# KiCad board karabas-pro-revF.kicad_pcb (continued)
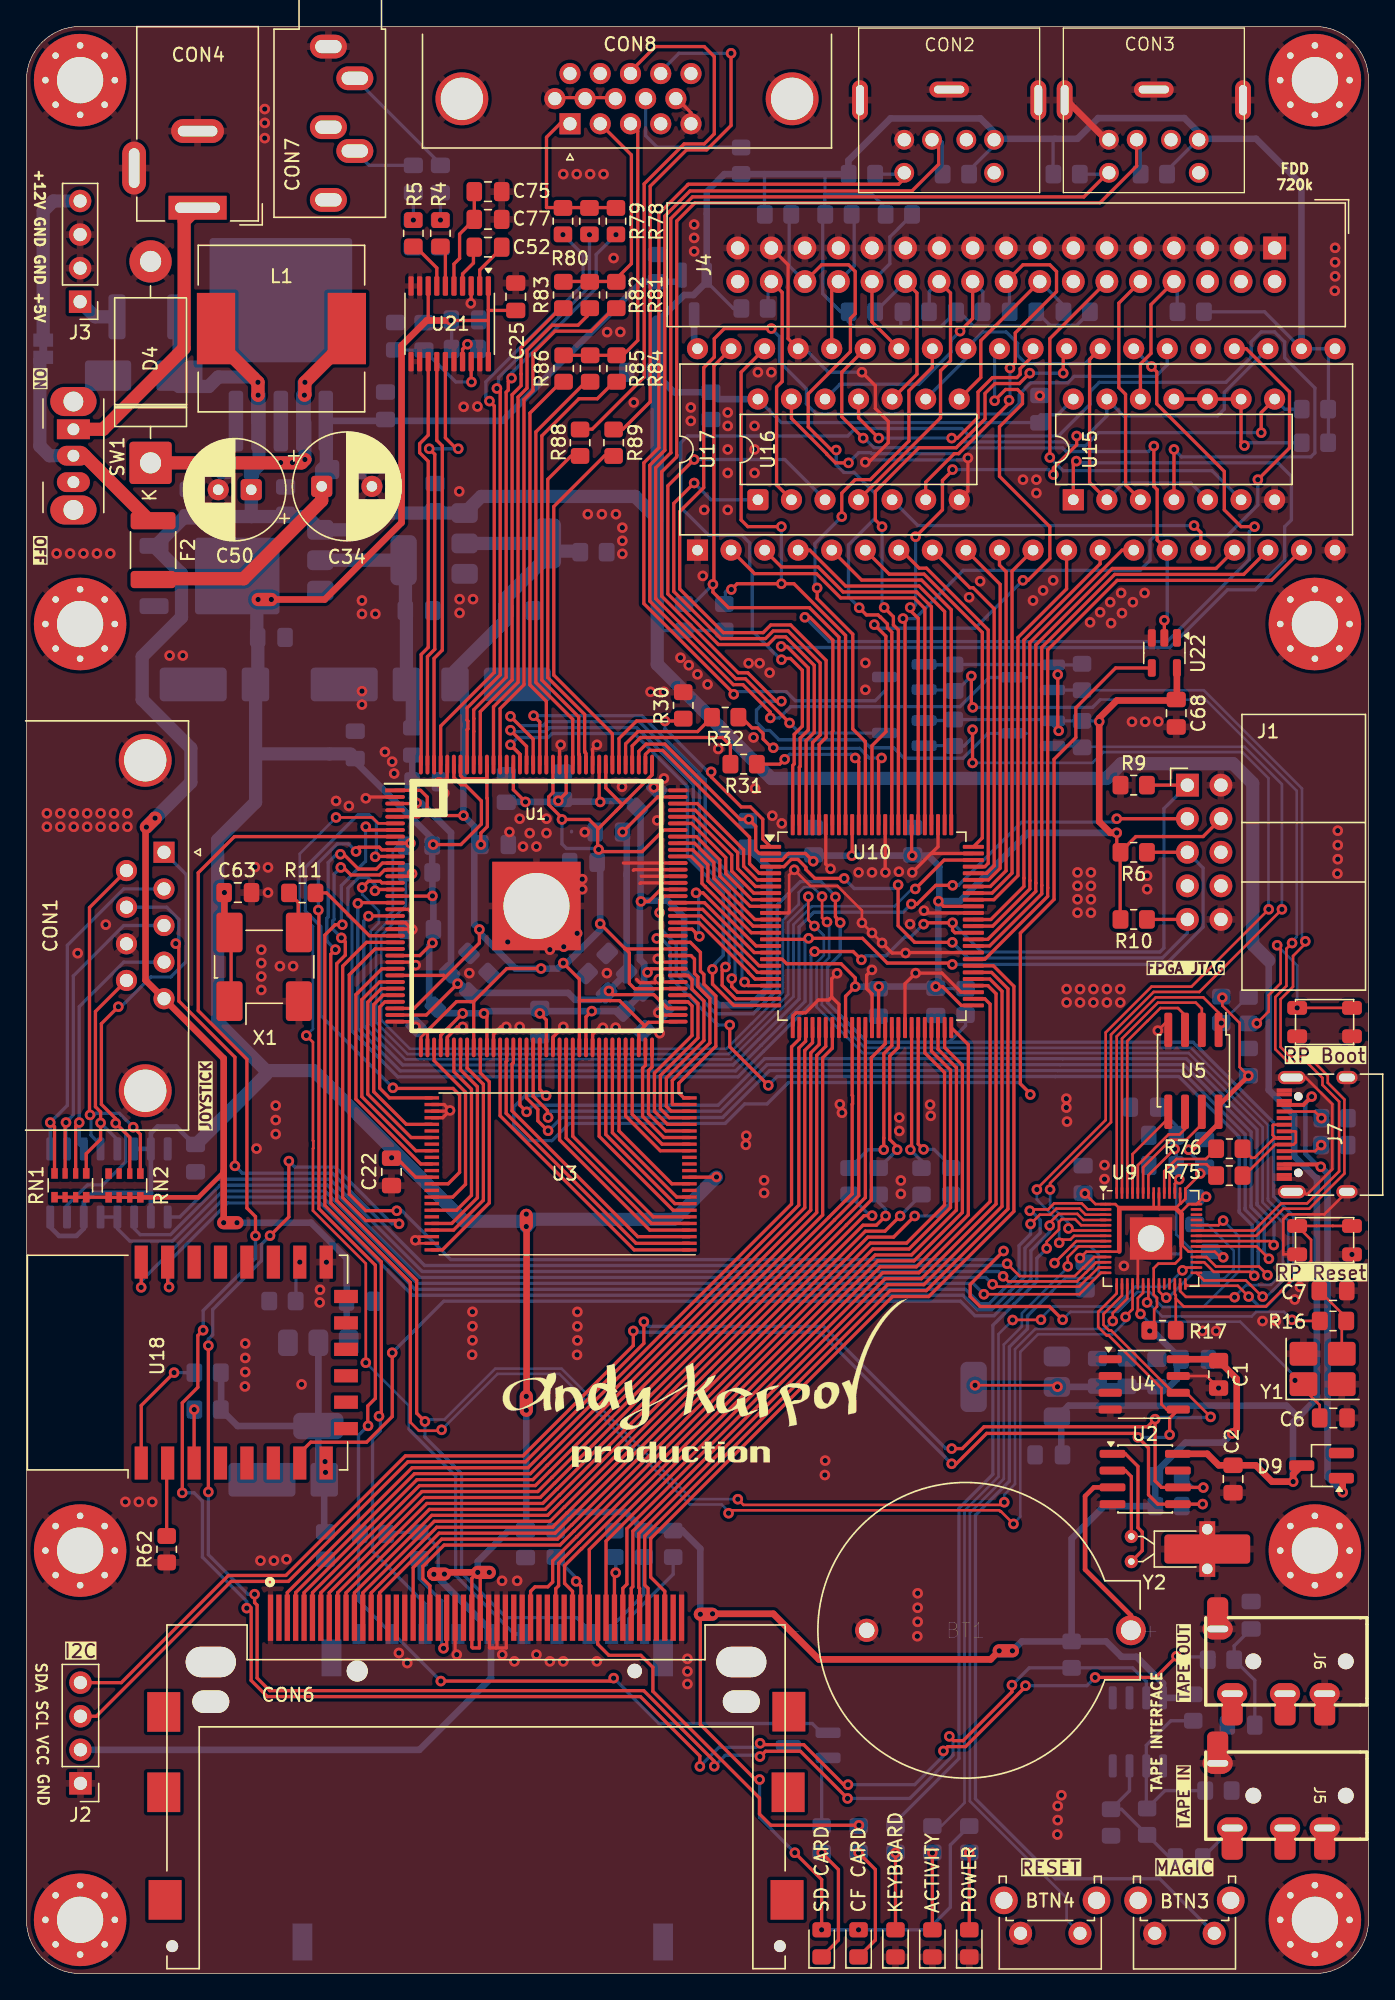
[diagram p0: board, top side]
## Routing (per net, layer and track width the routed paths; a pad name or vN(x,y) marks a point on that pad's centre or on a via; arc(x,y) is an arc through that point) (continued)
~{FDC_RST}: length 48.6
  Top w0.25: U10.58 72.55,76.75 77.31,81.5 77.31,82.14 77.31,82.14 77.31,100.15 82.57,105.41 94.23,105.41 U17.19
~{FDC_SIDE}: length 40.5
  Top w0.25: v1(50.55,112.78) 49,111.23 49,104.57 52.57,101 55.95,101 56.53,101.58 57.67,101.58 60.09,99.16 60.09,93.71 59.51,93.14 U10.97
  Bottom w0.25: U16.1 51.82,111.51 v1(50.55,112.78)
~{FDC_STEP}: length 19.6
  Top w0.25: J4.20 71.63,125.22 v1(70.68,124.26)
  Bottom w0.25: 72.4,125.73 72.4,127.25 J4.20 ; U16.12 61.58,120.25 67.56,120.25 69.99,122.69 69.99,123.58 v1(70.68,124.26)
~{FDC_TR00}: length 12.3
  Top w0.25: J4.26 64.01,124.97 U17.34
  Bottom w0.25: J4.26 65.36,129.37 65.36,131.39 67.06,133.1
~{FDC_WDATA}: length 22.3
  Top w0.25: U16.4 69.2,117.71 69.2,121.27 69.95,122.02 69.95,127.15 J4.22
  Bottom w0.25: J4.22 68.34,127.27 68.34,125.73
~{FDC_WGATE}: length 13.2
  Top w0.25: U16.10 67.41,121.01 67.41,127.15 J4.24
  Bottom w0.25: 64.27,125.74 J4.24
~{FDC_WPRT}: length 10
  Top w0.25: U17.36 60.96,127.51
  Bottom w0.25: 62.66,132.93 62.66,129.2 J4.28
~{LWCS0}: length 12.8
  Top w0.25: 65.51,71.57 65.51,70.21 64.9,69.6 64.9,63.22 64.9,63.21 v1(64.9,62.33)
  Bottom w0.25: 62.23,60.86 63.7,62.33 v1(64.9,62.33)
~{LWCS1}: length 11.7
  Top w0.25: v1(65.91,62.33) 65.91,62.55 65.35,63.11 65.35,69.42 66.01,70.07 66.01,71.57
  Bottom w0.25: v1(65.91,62.33) 65.91,62.32 64.56,60.97
~{LWRD}: length 11
  Top w0.25: v1(66.91,62.33) 67.01,62.43 67.01,71.57
  Bottom w0.25: 67.75,60.97 67.75,61.49 v1(66.91,62.33)
~{LWWR}: length 12.1
  Top w0.25: v1(67.91,62.36) 67.51,62.76 67.51,71.57
  Bottom w0.25: 70.09,60.97 68.7,62.36 v1(67.91,62.36)
~{MCU_SD_CS}: length 107.3
  Top w0.2: U9.38 90.24,56.62 v1(90.59,56.97)
  Top w0.25: v1(73.97,54.67) 71.44,52.14 71.44,51.22 72.19,50.47 77.44,50.47 v1(78.44,49.47) ; U1.25 26.39,77.52 24.44,75.57 24.44,58.97 25.69,57.72 28.03,57.72 v1(28.03,57.71)
  Bottom w0.2: v1(78.44,49.47) 79.04,50.07 82.61,50.07 84.11,51.57 85.03,51.57 85.53,51.07 85.53,50.9 85.99,50.44 89.09,50.44 91.79,53.14 91.79,55.77 v1(90.59,56.97)
  Bottom w0.25: v1(28.03,57.71) 28.42,57.71 32.12,54.02 73.32,54.02 v1(73.97,54.67)
~{MWR}: length 13.3
  Top w0.25: U1.67 44.86,63.76 48.86,59.75 U3.11
~{QSPI_CS}: length 24.9
  Top w0.2: U9.56 82.53,70.9 85.49,73.86 89.09,73.86 90.25,72.7 90.25,71.9
  Bottom w0.2: 92.43,73.89 v1(90.45,71.91)
~{RD}: length 29.1
  Top w0.25: U17.4 59.29,107.7 62.01,104.98 67.57,104.98 69.51,103.05 U10.77
~{RESET}: length 20.8
  Top w0.25: R30.1 49.54,94.77 v1(48.34,94.77) 46.19,94.77 44.86,93.44 U1.114 ; U10.1 55.74,85.84 55.74,87.34 54.81,88.27 54.11,88.27 51.83,90.54 v1(51.83,90.92)
  Bottom w0.25: v1(51.83,90.92) 51.59,90.92 48.34,94.17 v1(48.34,94.77)
~{SD_CS}: length 104.2
  Top w0.25: v1(22.1,80.46) 22.14,80.42 22.14,57.87 26.41,53.6 26.41,43.52 25.84,42.95 25.84,41.46 v1(25.86,41.44) ; v1(31.37,22.13) 44.23,22.13 v1(44.45,22.35) ; U1.10 26.91,85.02 26.71,85.22 25.15,85.22 24.95,85.02 v1(24.95,84.9)
  Bottom w0.25: v1(44.45,22.35) 47.88,18.92 59.48,18.92 60.12,18.29 ; v1(24.95,84.9) 24.38,85.47 23.53,85.47 22.1,84.04 v1(22.1,80.46) ; 25.14,31.12 25.14,40.72 v1(25.86,41.44) ; 27.67,25.69 25.15,28.21 25.15,31.11 ; v1(31.37,22.13) 27.81,25.69
~{WCS0}: length 54.1
  Top w0.25: v1(64.02,57.34) 63.41,57.34 40.91,34.85 40.91,34.85 39.83,33.77 31.06,33.77 26.1,28.81 CON6.7
  Bottom w0.25: 62.28,58.93 63.91,57.3 63.98,57.3 v1(64.02,57.34)
~{WCS1}: length 53.8
  Top w0.25: v1(65.04,57.32) 64.34,56.62 63.32,56.62 41.1,34.4 41.09,34.4 40.02,33.32 31.25,33.32 26.73,28.81 CON6.32
  Bottom w0.25: v1(65.04,57.32) 65.04,57.82 64.52,58.34 64.52,58.92
~{WRD}: length 54
  Top w0.25: v1(66.14,57.32) 64.99,56.17 63.51,56.17 41.29,33.95 41.28,33.95 40.2,32.87 31.43,32.87 29.27,30.71 CON6.34
  Bottom w0.25: 67.75,58.92 67.74,58.92 v1(66.14,57.32)
~{WRESET}: length 60.4
  Top w0.25: CON6.41 38.16,28.92 38.5,29.26 39.47,29.26 39.84,29.63 39.84,31.23 41.65,33.05 41.66,33.05 63.88,55.27 66.63,55.27 69.5,58.14 69.5,68.17 68.01,69.66 68.01,71.57
~{WR}: length 32.9
  Top w0.25: U10.80 68.01,103.28 67.2,104.08 61.64,104.08 59.8,105.92 55.12,105.92 U17.2
~{WWR}: length 56
  Top w0.25: CON6.35 30.54,29.34 30.01,29.88 30.01,30.81 31.62,32.42 40.39,32.42 41.47,33.5 41.47,33.5 63.7,55.72 65.64,55.72 v1(67.24,57.32)
  Bottom w0.25: 69.98,58.9 69.98,58.36 68.94,57.32 v1(67.24,57.32)
Net-(BTN1-Pad1): length 16.3
  Top w0.2: v1(94.68,77.8) 94.94,77.54 94.94,74.92 94.04,74.02 94.04,72.79 v1(93.14,71.89) ; BTN1.1 v1(96.19,73.06)
  Bottom w0.2: v1(94.68,77.8) 94.68,77.78 96.19,76.27 v1(96.19,73.06)
Net-(C7-Pad1): length 5
  Top w0.2: Y1.3 99.57,49.04 ; 99.91,49.63 C7.1
Net-(C26-Pad2): length 2.1
  Bottom w0.25: C31.2 v1(31.34,132.67) C26.2
Net-(C29-Pad2): length 2.1
  Bottom w0.25: C29.2 v1(29.29,132.67) C48.2
Net-(C70-Pad1): length 3.1
  Bottom w0.25: 89.05,8.79 J5.T
Net-(C71-Pad1): length 2
  Bottom w0.25: C71.1 90.91,20.81
Net-(C71-Pad2): length 8.5
  Bottom w0.25: C71.2 92.99,22.19 R66.1 91.42,24.79 C73.2
Net-(CON5-CARD_DETECT): length 7.2
  Bottom w0.25: 48.96,31.49 48.96,30.21 45.6,26.85 CON5.10
Net-(CON5-DAT1): length 6.2
  Bottom w0.25: 46.74,31.49 46.74,28.7 44.3,26.26
Net-(CON6-/PDIAG): length 4.5
  Top w0.25: CON6.46 44.51,30.23 v1(44.61,30.33)
  Bottom w0.25: v1(44.61,30.33) 44.61,31.39
Net-(CON6-/REG): length 5.4
  Top w0.25: CON6.44 41.97,29.31 v1(41.61,29.67)
  Bottom w0.25: 40.07,31.49 41.61,29.94 v1(41.61,29.67)
Net-(CON6-/WE): length 10
  Top w0.25: v1(31.57,24.61) 31.81,24.85 CON6.36
  Bottom w0.25: 30,31.35 29.74,31.09 29.74,29.89 31.43,28.2 31.43,24.75 v1(31.57,24.61)
Net-(CON8-Pad9): length 10.5
  Bottom w0.25: 54.1,138.19 47.74,138.19 46.87,139.06 46.87,141.93
Net-(D4-K): length 25
  Top w1: D4.1 20.83,114.3 v1(21.08,114.55) ; v1(21.04,119.42) 21.08,119.46 v1(21.08,120.4) 24.25,123.57
  Bottom w0.5: 21,120.32 v1(21.08,120.4)
  Bottom w1: 21.08,117.34 v1(21.08,114.55) 20.85,114.32 v1(20.14,114.32) v1(19.24,114.32) ; 21,117.41 21,120.32
Net-(F1-Pad1): length 3.3
  Bottom w1: J3.1 5.21,125.35 6.92,125.35
Net-(J7-CC1): length 3
  Top w0.2: J7.A5 97.55,62.22 v1(98.01,62.68)
Net-(J7-CC2): length 3
  Top w0.2: J7.B5 97.53,65.22 v1(98.03,64.72)
Net-(JP2-A): length 12.9
  Bottom w1: JP2.1 1.27,133.35 2.03,134.11 J3.4
Net-(JP2-B): length 17.6
  Top w1: SW1.2 4.41,114.84 9.39,109.86
  Bottom w1: JP2.2 1.02,122.03 1.02,115.57 1.75,114.84 SW1.2
Net-(Q1-D): length 75.8
  Top w0.25: v1(53.54,96.79) 53.54,96.85 46.74,103.66 46.74,114.3 47.88,115.44 47.88,133.15 50.05,135.32 50.1,135.38 66.02,135.38 66.96,136.32
  Bottom w0.25: 64.27,136.14 66.78,136.14 ; 65.04,98.09 65.04,97.09 64.25,96.3 58.21,96.3 57.52,96.99 53.74,96.99 v1(53.54,96.79)
Net-(Q2-D): length 90.4
  Top w0.25: v1(56.31,95) 56.31,95.44 54.24,97.52 53.51,97.52 47.19,103.84 47.19,114.11 48.33,115.25 48.33,132.97 50.23,134.87 67.03,134.87 69.06,136.9 69.06,138.82
  Bottom w0.25: 69.33,136.14 69.33,138.55 69.06,138.82 ; v1(56.31,95) 57.01,95 57.85,95.85 70.66,95.85 72.87,98.06 75.72,98.06
Net-(Q3-D): length 87.4
  Top w0.25: v1(57.77,94.62) 54.43,97.97 53.7,97.97 47.64,104.03 47.64,113.93 48.78,115.07 48.78,132.78 50.42,134.42 80.05,134.42 81.94,136.32
  Bottom w0.25: 79.76,136.14 81.77,136.14 ; v1(57.77,94.62) 58.54,93.85 64.96,93.85
Net-(Q4-D): length 107.6
  Top w0.25: 84.04,138.82 84.04,136.75 81.26,133.97 50.6,133.97 49.23,132.6 49.23,114.88 49.23,114.88 49.23,114.75 48.09,113.62 48.09,104.21 53.89,98.41 54.61,98.41 56.76,96.27 v1(57.15,96.27)
  Bottom w0.25: 84.32,136.14 84.32,138.55 ; 75.69,93.83 72.78,93.83 70.9,91.95 66.44,91.95 65.65,92.74 63.89,92.74 63.28,93.34 56.97,93.34 56.25,94.06 55.88,94.06 55.26,94.67 55.26,95.6 55.93,96.27 v1(57.15,96.27)
Net-(Q5-E): length 5.1
  Bottom w0.25: 60.2,11.19 60.2,16.31
Net-(R47-Pad2): length 13.1
  Top w0.25: v1(92.2,115.61) 91.95,115.86 U15.9 U15.10 U15.11
  Bottom w0.25: v1(92.2,115.61) 92.42,115.82 96.51,115.82
Net-(SW1-A): length 22
  Top w1: CON4.1 11.94,132.59 11.94,122.97 5.81,116.84 SW1.1
Net-(U2-X1): length 10
  Top w0.25: U2.1 83.19,39.32 84.14,38.37 84.14,33.74 84.47,33.41 84.47,32 Y2.1
Net-(U2-X2): length 6.1
  Top w0.25: 82.22,38.06 83.19,38.06 83.64,37.6 Y2.2
Net-(U9-VREG_VOUT): length 22.9
  Top w0.2: U9.45 86.93,59.76 v1(87.27,60.09) ; v1(86.28,51.14) 86.21,51.14 85.73,51.62 U9.23 ; v1(86.91,62.39) 84.93,60.4 U9.50
  Bottom w0.2: 87.27,60.91 v1(87.27,60.09) 87.04,59.87 87.04,55.92 88.21,54.75 88.21,52.91 86.44,51.14 v1(86.28,51.14)
  Bottom w0.25: C10.1 87.04,64.15 C8.1 C5.1
Net-(U9-XIN): length 20.1
  Top w0.2: U9.20 84.53,51.5 84.13,51.1 84.13,50.11 v1(84.33,49.91) ; C6.1 97.9,43.01 v1(96.03,44.88)
  Bottom w0.2: v1(84.33,49.91) 84.92,49.32 91.88,49.32 96.03,45.17 v1(96.03,44.88)
Net-(U9-XOUT): length 15.4
  Top w0.2: v1(95.8,49.46) 95.88,49.38 R16.2 ; v1(84.83,50.78) 84.93,50.88 U9.21
  Bottom w0.2: v1(84.83,50.78) 84.92,50.78 85.97,49.72 92.75,49.72 93.1,50.07 95.19,50.07 v1(95.8,49.46)
Net-(U10-INPUT/GCLK1): length 17.3
  Top w0.25: v1(64.73,91.97) 64.51,91.75 U10.87 ; v1(56.54,92.75) 56.43,92.75 55.76,93.41 55.76,93.82 55.34,94.25 54.93,94.25 54.11,95.06
  Bottom w0.25: v1(64.73,91.97) 63.79,91.97 63.06,92.7 56.59,92.7 v1(56.54,92.75)
Net-(U10-INPUT/OE2/GCLK2): length 13
  Top w0.25: v1(62.74,91.97) 63.01,91.7 U10.90 ; 55.32,91.5 57.03,91.5 v1(57.39,91.87)
  Bottom w0.25: v1(57.39,91.87) 57.77,92.25 62.46,92.25 v1(62.74,91.97)
Net-(U13-VO): length 18.4
  Bottom w0.5: 28.69,103.63 28.77,103.56
  Bottom w1: 28.77,103.56 C58.1 ; FB1.1 29.21,97.09 ; 28.69,103.63 28.69,106.79 ; U13.2 U13.2
Net-(U17-VDD): length 2.8
  Bottom w0.5: 50.55,126 50.55,123.19
Net-(U18-ADC): length 5.4
  Top w0.25: R62.2 10.62,38.55
Net-(U18-EN): length 4
  Top w0.25: U18.3 12.69,42.66 v1(12.7,42.67)
Net-(U18-GPIO15): length 3.1
  Bottom w0.25: v1(20.69,53.83) 20.41,53.54 20.41,50.88
Net-(U20-+): length 14
  Bottom w0.25: R68.1 86.19,13.84 R65.2 ; 84.77,12.56 84.77,17.27 86.63,19.13 R67.2
Net-(U20--): length 9.8
  Bottom w0.25: 86.57,8.76 R65.1 82.9,12.43 R64.1 83.5,13.83 83.5,15.71
Net-(U21-CAPM): length 3
  Top w0.25: 33.84,130.38 33.84,129.42 33.01,128.59 U21.4
Net-(U21-CAPP): length 3.4
  Top w0.25: 35.86,130.44 34.31,128.89 U21.2
Net-(U21-LDOO): length 8.3
  Top w0.25: v1(33.69,120.42) 33.66,120.44 U21.18
  Bottom w0.25: C79.2 27.95,122.83 C78.2 32.5,120.42 v1(33.69,120.42)
Net-(U21-OUTL): length 3.1
  Top w0.25: R4.1 31.72,130.3 U21.6
Net-(U21-OUTR): length 3.8
  Top w0.25: U21.7 31.06,129.05 29.44,130.67 R5.1
Net-(U21-VNEG): length 7.8
  Top w0.25: C75.2 C77.2 32.79,131.61 32.79,129.77 32.37,129.34 U21.5
Net-(U21-XSMT): length 2.4
  Top w0.25: U21.17 33.01,122.9 v1(33.39,123.27)
  Bottom w0.25: v1(33.39,123.27) 33.84,123.27 R7.2
Net-(X1-OUT): length 3.3
  Top w0.25: 19.85,81.76 20.57,81.04 20.57,78.81

## Copper pours and planes (outline as drawn; the poured copper is in the pictures)
GND on Top: 108.2,-6.6 -4.57,-6.6 -4.57,152.4 108.2,152.4
GND on Bottom: 105.66,-8.64 -10.16,-8.64 -10.16,157.48 105.66,157.48

## Text on the board
B.Mask: Rev.${REVISION}
B.Silkscreen: 12V DC / POWER | MONITOR | KEYBOARD | MOUSE | STEREO OUT | 3v3 | 2v5 | 1v2 | © 2026 / andykarpov / www.karabas.uk | SPECIAL THANKS TO: / solegstar, tank-uk, nihirash, caasper911, / dr_max, xdemox, kalantaj, dumpkin / and all members of the Karabas community
F.Mask: Rev.${REVISION}
F.Silkscreen: FPGA JTAG | FDD / 720k | JOYSTICK | TAPE INTERFACE | +12V GND GND +5V | ON | OFF | SDA | SCL | VCC | GND
